# KiCad board DFTBoard.kicad_pcb (continued)
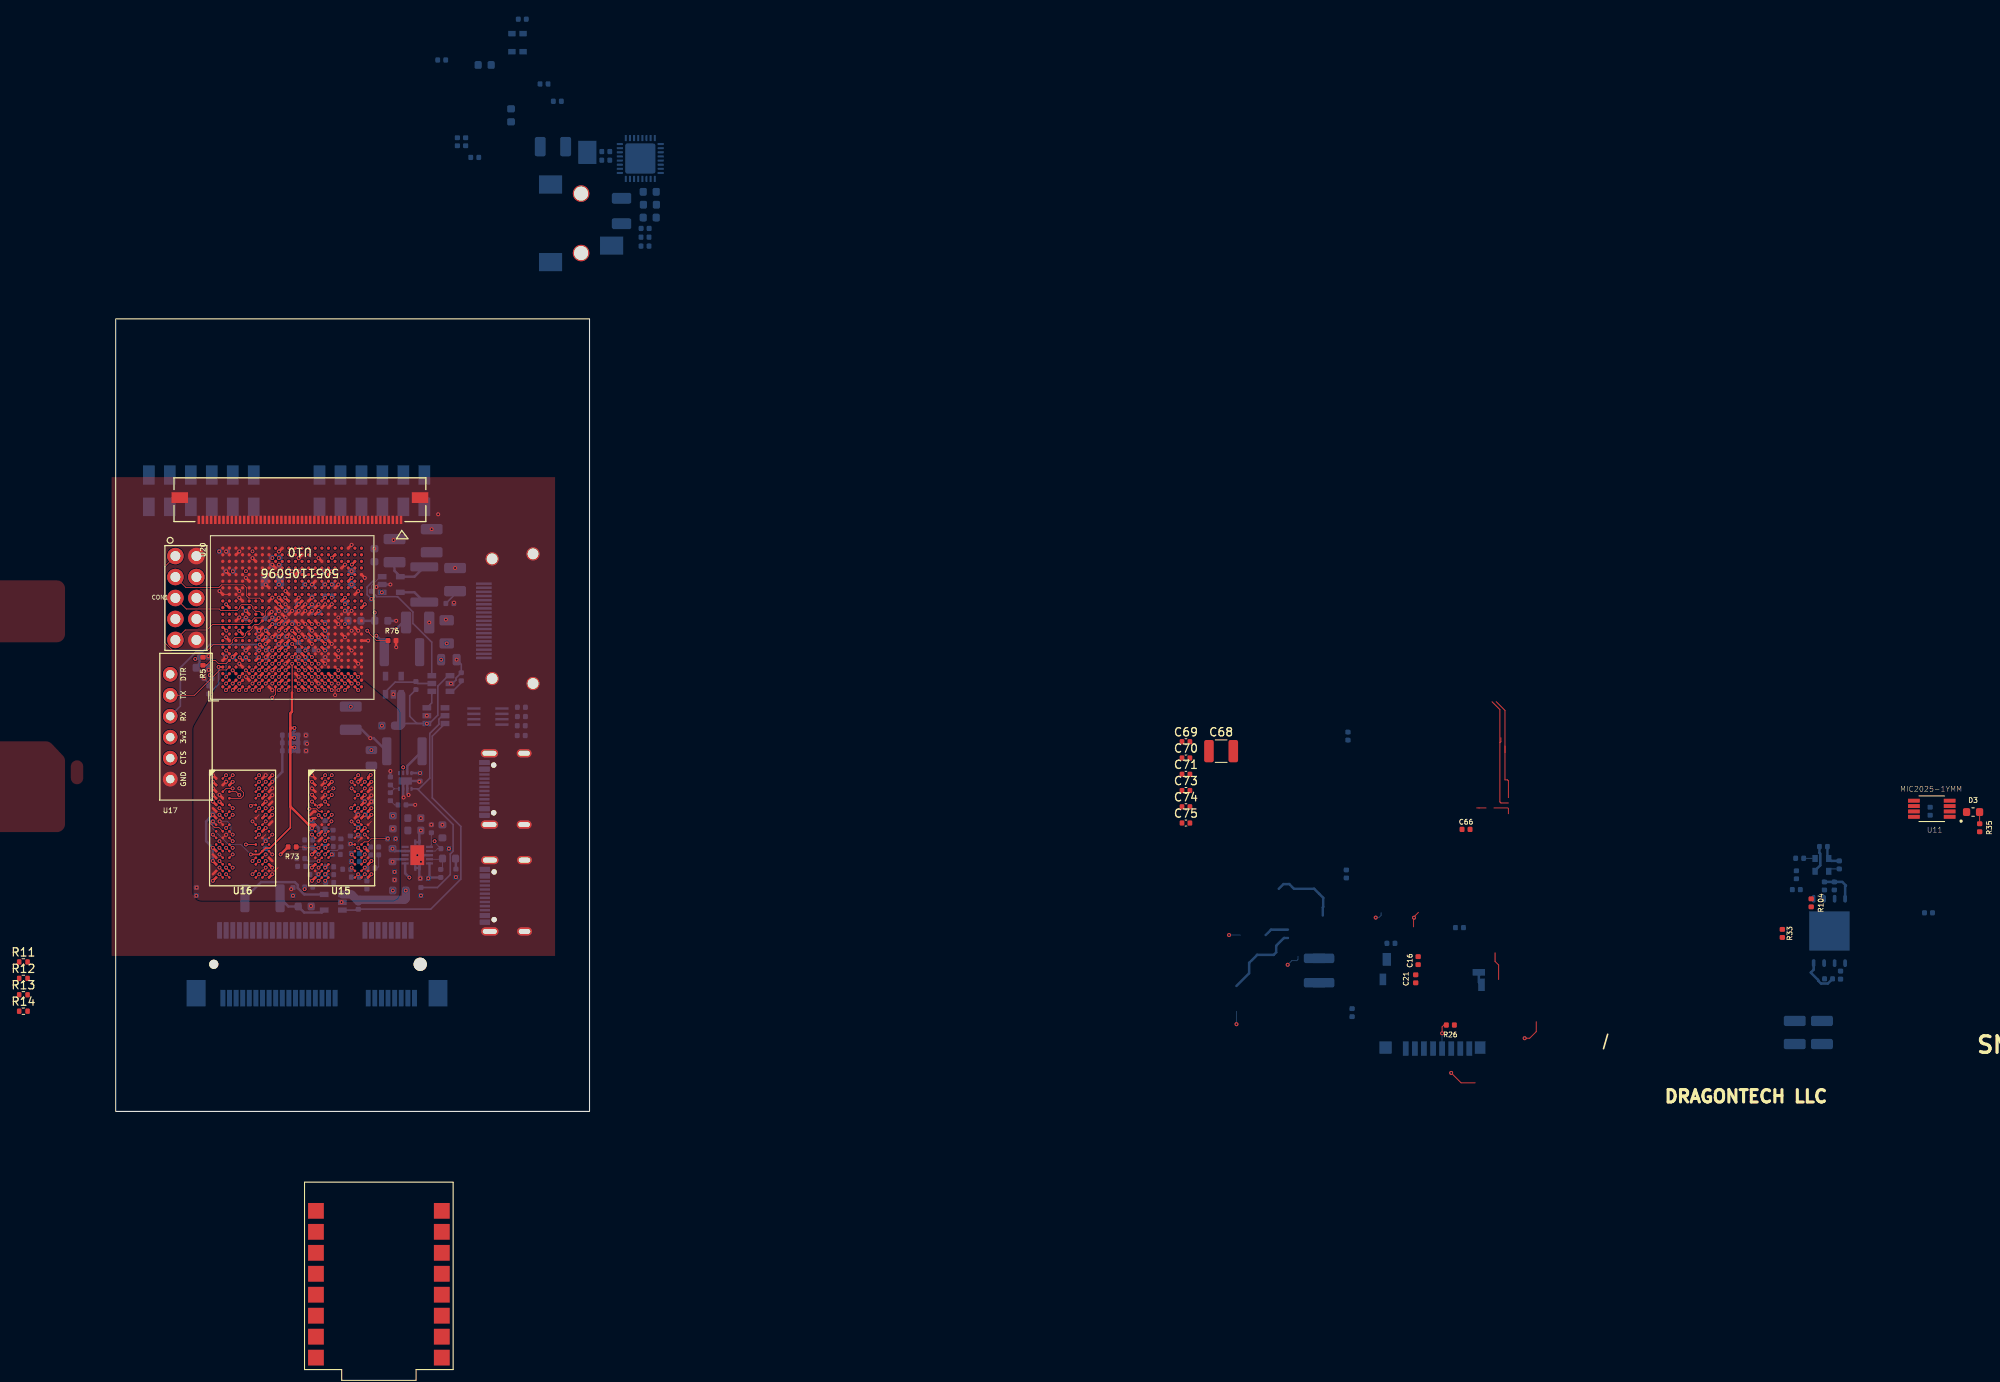
[diagram p0: board, top side]
## Routing (per net, layer and track width the routed paths; a pad name or vN(x,y) marks a point on that pad's centre or on a via; arc(x,y) is an arc through that point) (continued)
DDR3_DQS1_N: length 18.8
  TOP w0.102: U16.B7 v1(17.37,39.93)
  TOP w0.13: U20.J2 v1(18.97,51.83)
  Signal2 w0.102: v1(18.97,51.83) 19.36,51.43 19.36,50.84 19.04,50.52 18.78,50.52 18.57,50.32 18.57,48.4 18.23,48.06 18.23,46 18.23,45.94 18.21,45.9 18.18,45.85 18.15,45.81 18.1,45.79 18.05,45.77 18,45.76 17.89,45.76 17.88,45.76 17.87,45.76 17.86,45.75 17.85,45.75 17.85,45.74 17.84,45.73 17.84,45.72 17.84,45.45 17.96,45.34 18.55,45.34 18.63,45.33 18.71,45.3 18.78,45.26 18.84,45.2 18.89,45.13 18.92,45.05 18.93,44.96 18.93,44.91 18.92,44.82 18.89,44.75 18.84,44.67 18.78,44.62 18.71,44.57 18.63,44.54 18.55,44.53 18.43,44.53 18.38,44.53 18.34,44.51 18.31,44.49 18.28,44.46 18.25,44.42 18.24,44.38 18.23,44.34 18.23,42.15 16.85,40.77 16.15,40.77 16.02,40.64 16.02,39.51 16.2,39.33 16.77,39.33 v1(17.37,39.93)
DDR3_DQS1_P: length 18.4
  TOP w0.102: U16.C7 v1(17.37,39.13)
  TOP w0.13: U20.H2 v1(18.17,51.83)
  Signal2 w0.102: v1(17.37,39.13) 16.12,39.13 15.82,39.43 15.82,40.73 16.06,40.97 16.77,40.97 18.03,42.24 18.03,44.36 18.04,44.45 18.07,44.53 18.11,44.6 18.17,44.66 18.24,44.7 18.32,44.73 18.4,44.74 18.53,44.74 18.57,44.74 18.61,44.76 18.65,44.78 18.68,44.81 18.7,44.85 18.72,44.89 18.72,44.93 18.72,44.94 18.72,44.98 18.7,45.02 18.68,45.06 18.65,45.09 18.61,45.11 18.57,45.13 18.53,45.13 17.81,45.13 17.69,45.25 17.66,45.3 17.64,45.34 17.64,45.4 17.64,45.74 17.64,45.79 17.66,45.84 17.69,45.88 17.73,45.92 17.77,45.95 17.82,45.96 17.87,45.97 17.99,45.97 18,45.97 18.01,45.97 18.01,45.98 18.02,45.98 18.03,45.99 18.03,46 18.03,46.01 18.03,48.14 18.37,48.48 18.37,50.45 18.23,50.59 18.23,50.81 18.17,50.88 v1(18.17,51.83)
DDR3_DQS2_N: length 21.4
  TOP w0.102: U15.G3 v1(26.17,35.93)
  TOP w0.13: U20.P2 v1(23.77,51.83)
  Signal2 w0.102: v1(23.77,51.83) 24.17,51.43 24.17,50.85 24.57,50.45 24.57,50.23 24.17,49.83 24.17,47.46 24.16,47.41 24.15,47.36 24.12,47.32 24.08,47.28 24.04,47.26 23.99,47.24 23.94,47.24 23.83,47.24 23.82,47.24 23.81,47.23 23.81,47.23 23.8,47.22 23.8,47.22 23.8,47.21 23.79,47.2 23.79,47.07 23.8,47.06 23.8,47.05 23.81,47.05 23.84,47.02 24.4,47.02 24.47,47.01 24.53,46.99 24.58,46.95 24.63,46.91 24.66,46.85 24.68,46.79 24.69,46.73 24.69,46.69 24.68,46.63 24.66,46.57 24.63,46.51 24.58,46.47 24.53,46.43 24.47,46.41 24.4,46.41 23.83,46.41 23.82,46.4 23.81,46.4 23.81,46.4 23.8,46.39 23.8,46.39 23.8,46.38 23.79,46.37 23.79,46.23 23.8,46.23 23.8,46.22 23.8,46.21 23.81,46.21 23.81,46.2 23.82,46.2 23.83,46.2 24.4,46.2 24.47,46.19 24.53,46.17 24.58,46.14 24.63,46.09 24.66,46.04 24.68,45.98 24.69,45.91 24.69,45.88 24.68,45.81 24.66,45.75 24.63,45.7 24.58,45.65 24.53,45.62 24.47,45.6 24.4,45.59 24.27,45.59 24.25,45.59 24.23,45.58 24.21,45.57 24.19,45.55 24.18,45.53 24.17,45.51 24.17,45.49 24.17,45.28 24.4,45.05 24.4,42.39 24.39,42.38 24.39,37.71 24.97,37.13 25.3,37.13 26.17,36.27 v1(26.17,35.93)
DDR3_DQS2_P: length 21.8
  TOP w0.102: U15.F3 v1(25.37,35.93)
  TOP w0.13: U20.N2 v1(22.97,51.83)
  Signal2 w0.102: v1(25.37,35.93) 25.67,36.23 25.67,36.43 25.55,36.54 24.4,36.54 24.19,36.75 24.19,44.97 23.96,45.19 23.96,45.51 23.97,45.57 23.99,45.63 24.03,45.68 24.07,45.73 24.13,45.76 24.19,45.79 24.25,45.79 24.38,45.79 24.41,45.8 24.43,45.8 24.45,45.82 24.46,45.83 24.48,45.85 24.48,45.87 24.49,45.9 24.48,45.92 24.48,45.94 24.46,45.96 24.45,45.98 24.43,45.99 24.41,45.99 24.38,46 23.81,46 23.76,46 23.72,46.02 23.67,46.05 23.64,46.08 23.61,46.12 23.6,46.17 23.59,46.22 23.59,46.39 23.6,46.44 23.61,46.48 23.64,46.53 23.67,46.56 23.72,46.59 23.76,46.6 23.81,46.61 24.38,46.61 24.41,46.61 24.43,46.62 24.45,46.63 24.46,46.65 24.48,46.67 24.48,46.69 24.49,46.71 24.48,46.73 24.48,46.76 24.46,46.78 24.45,46.79 24.43,46.8 24.41,46.81 24.38,46.81 23.75,46.81 23.72,46.85 23.67,46.88 23.64,46.91 23.61,46.95 23.6,47 23.59,47.05 23.59,47.22 23.6,47.27 23.61,47.31 23.64,47.36 23.67,47.39 23.72,47.42 23.76,47.43 23.81,47.44 23.93,47.44 23.94,47.44 23.94,47.44 23.95,47.45 23.96,47.45 23.96,47.46 23.96,47.47 23.96,47.47 23.96,50.18 23.36,50.78 23.36,51.43 v1(22.97,51.83)
DDR3_DQS3_N: length 18.3
  TOP w0.102: U15.B7 v1(28.57,39.93)
  TOP w0.13: U20.W2 v1(27.77,51.83)
  Signal1 w0.102: v1(28.57,39.93) 28.02,40.48 28.02,40.63 28.22,40.83 28.22,41.03 28.02,41.23 28.02,45.3 28.02,45.36 28.04,45.42 28.08,45.47 28.12,45.52 28.17,45.55 28.23,45.57 28.29,45.58 28.5,45.58 28.61,45.59 28.71,45.63 28.81,45.69 28.89,45.76 28.94,45.86 28.98,45.96 28.99,46.07 28.99,46.13 28.98,46.24 28.94,46.35 28.89,46.44 28.81,46.52 28.71,46.58 28.61,46.62 28.5,46.63 27.62,46.63 27.61,46.63 27.6,46.64 27.59,46.65 27.59,46.65 27.59,47.15 27.59,47.16 27.6,47.17 27.61,47.18 27.62,47.18 28.5,47.18 28.61,47.19 28.71,47.23 28.81,47.29 28.89,47.36 28.94,47.46 28.98,47.56 28.99,47.67 28.99,47.73 28.98,47.84 28.94,47.95 28.89,48.04 28.81,48.12 28.71,48.18 28.61,48.22 28.5,48.23 27.67,48.23 27.6,48.29 27.6,48.31 27.59,48.32 27.59,48.33 27.59,48.83 27.59,48.84 27.6,48.85 27.61,48.85 27.62,48.85 27.76,48.85 27.82,48.86 27.87,48.88 27.92,48.91 27.96,48.95 27.99,49 28.01,49.05 28.02,49.11 28.02,50.43 28.47,50.88 28.47,51.13 v1(27.77,51.83)
DDR3_DQS3_P: length 19.2
  TOP w0.102: U15.C7 v1(28.57,39.13) ; U20.V2 v1(26.97,51.83)
  Signal1 w0.102: v1(26.97,51.83) 27.37,51.43 27.37,50.83 27.77,50.43 27.77,49.13 27.76,49.12 27.76,49.11 27.75,49.1 27.74,49.1 27.6,49.1 27.54,49.1 27.49,49.08 27.44,49.05 27.4,49 27.37,48.95 27.35,48.9 27.34,48.84 27.34,48.31 27.35,48.25 27.37,48.2 27.59,47.98 28.47,47.98 28.53,47.97 28.59,47.95 28.64,47.92 28.68,47.87 28.72,47.82 28.74,47.76 28.74,47.7 28.74,47.64 28.72,47.58 28.68,47.53 28.64,47.49 28.59,47.45 28.53,47.43 28.47,47.43 27.6,47.43 27.54,47.42 27.49,47.4 27.44,47.37 27.4,47.33 27.37,47.28 27.35,47.23 27.34,47.17 27.34,46.64 27.35,46.58 27.37,46.52 27.4,46.48 27.44,46.43 27.49,46.4 27.54,46.38 27.6,46.38 28.47,46.38 28.53,46.37 28.59,46.35 28.64,46.32 28.68,46.27 28.72,46.22 28.74,46.16 28.74,46.1 28.74,46.04 28.72,45.98 28.68,45.93 28.64,45.89 28.59,45.85 28.53,45.83 28.47,45.83 28.26,45.83 28.15,45.82 28.05,45.78 27.95,45.72 27.88,45.64 27.82,45.55 27.78,45.44 27.77,45.33 27.77,39.48 28.12,39.13 v1(28.57,39.13)
DDR3_DRST#: length 52.2
  TOP w0.102: U15.T2 v1(24.57,27.93) ; U16.T2 v1(12.57,28.73)
  TOP w0.13: U20.F3 v1(16.57,52.63)
  Signal2 w0.102: v1(24.57,27.93) 24.07,27.43 21.72,27.43 21.69,27.43 21.66,27.44 21.63,27.46 21.61,27.48 21.6,27.5 21.59,27.53 21.58,27.59 21.57,27.62 21.55,27.64 21.53,27.67 21.51,27.68 21.48,27.69 21.45,27.69 21.32,27.69 21.29,27.69 21.26,27.68 21.23,27.67 21.21,27.64 21.2,27.62 21.19,27.59 21.18,27.53 21.17,27.5 21.15,27.48 21.13,27.46 21.11,27.44 21.08,27.43 21.05,27.43 13.87,27.43 v1(12.57,28.73)
  Signal3 w0.102: v1(12.57,28.73) 9.77,28.73 8.22,30.28 8.22,45.18 12.47,49.43 12.47,50.83 13.07,51.43 13.56,51.43 13.74,51.25 13.74,50.5 13.87,50.38 14.42,50.38 14.58,50.54 14.58,51.21 14.57,51.23 14.57,52.81 14.78,53.02 15.16,53.02 15.16,53.02 15.32,53.18 15.32,53.56 15.59,53.83 15.95,53.83 16.16,53.61 16.16,53.23 16.17,53.23 16.17,53.03 v1(16.57,52.63)
  BOTTOM w0.102: R74.1 24.57,27.89 v1(24.57,27.93)
DDR3_ODT: length 48.4
  TOP w0.102: U15.K1 v1(23.77,33.53) ; U16.K1 v1(11.77,33.53)
  TOP w0.13: U20.P5 v1(23.77,54.23)
  Signal2 w0.102: v1(23.77,33.53) 23.52,33.28 20.27,33.28 20.12,33.13 13.99,33.13 13.49,32.63 13.27,32.63 12.98,32.92 12.96,32.92 12.76,33.12 12.17,33.12 v1(11.77,33.53)
  Signal3 w0.102: v1(23.77,54.23) 23.77,53.89 23.76,53.88 23.62,53.88 23.37,53.63 23.37,49.85 23.34,49.83 23.31,49.82 23.28,49.81 23.25,49.81 23.22,49.82 23.19,49.83 23.17,49.85 23.06,49.96 23.04,49.98 23.01,50 22.98,50 22.95,50 22.91,50 22.89,49.98 22.86,49.96 22.78,49.88 22.76,49.85 22.74,49.82 22.74,49.79 22.74,49.76 22.74,49.73 22.76,49.7 22.78,49.68 23.23,49.23 23.25,49.2 23.26,49.17 23.27,49.14 23.27,49.11 23.26,49.08 23.25,49.05 23.23,49.03 23.14,48.94 23.12,48.92 23.09,48.91 23.06,48.9 23.03,48.9 23,48.91 22.97,48.92 22.95,48.94 22.49,49.4 22.47,49.42 22.44,49.43 22.41,49.44 22.38,49.44 22.35,49.43 22.32,49.42 22.3,49.4 22.21,49.31 22.19,49.29 22.18,49.26 22.17,49.23 22.17,49.2 22.18,49.17 22.19,49.14 22.21,49.11 22.66,48.66 22.68,48.64 22.7,48.61 22.7,48.58 22.7,48.55 22.7,48.52 22.68,48.49 22.66,48.46 22.58,48.38 22.55,48.36 22.53,48.35 22.5,48.34 22.46,48.34 22.43,48.35 22.41,48.36 22.38,48.38 21.89,48.87 21.87,48.89 21.84,48.9 21.81,48.91 21.78,48.91 21.75,48.9 21.72,48.89 21.7,48.87 21.61,48.78 21.59,48.76 21.58,48.73 21.57,48.7 21.57,48.67 21.58,48.64 21.59,48.61 21.61,48.58 22.1,48.1 22.12,48.07 22.13,48.04 22.14,48.01 22.14,47.98 22.13,47.95 22.12,47.92 22.1,47.9 22.01,47.81 21.99,47.79 21.96,47.78 21.93,47.77 21.9,47.77 21.87,47.78 21.84,47.79 21.82,47.81 21.33,48.3 21.3,48.32 21.27,48.33 21.24,48.34 21.21,48.34 21.18,48.33 21.15,48.32 21.13,48.3 21.04,48.22 21.03,48.19 21.01,48.16 21,48.13 21,48.1 21.01,48.07 21.03,48.04 21.04,48.02 21.53,47.53 21.55,47.51 21.57,47.48 21.57,47.45 21.57,47.42 21.57,47.38 21.55,47.36 21.53,47.33 21.45,47.25 21.42,47.23 21.39,47.21 21.36,47.21 21.33,47.21 21.3,47.21 21.27,47.23 21.25,47.25 21.1,47.39 21.08,47.41 21.05,47.42 21.02,47.43 20.99,47.43 20.96,47.42 20.93,47.41 20.91,47.39 20.1,46.58 15.42,41.91 15.42,38.2 15.32,38.1 15.32,37.28 14.59,36.55 14.57,36.55 14.34,36.32 13.98,36.32 13.77,36.12 13.77,35.48 13.77,35.48 13.77,34.83 13.67,34.73 13.12,34.73 12.97,34.58 12.97,33.93 12.57,33.53 v1(11.77,33.53)
  BOTTOM w0.102: R72.1 23.85,33.44 v1(23.77,33.53)
DDR3_RAS#: length 46.2
  TOP w0.102: U16.J3 v1(14.17,33.53) ; U15.J3 25.36,33.52 v1(25.36,33.52)
  TOP w0.13: U20.R5 v1(24.57,54.23)
  Signal2 w0.102: v1(14.17,33.53) 16.79,33.53 17.19,33.93 19.07,33.93 19.1,33.94 19.12,33.95 19.14,33.96 19.16,33.98 19.17,34 19.18,34.02 19.19,34.07 19.2,34.09 19.21,34.11 19.23,34.13 19.25,34.14 19.27,34.15 19.29,34.15 19.47,34.15 19.5,34.15 19.52,34.14 19.54,34.13 19.65,34.02 19.65,33.71 19.67,33.67 19.69,33.63 19.72,33.61 19.75,33.58 19.79,33.57 19.83,33.56 19.86,33.56 19.91,33.57 19.94,33.58 19.98,33.61 20.01,33.63 20.03,33.67 20.04,33.71 20.05,33.79 20.07,33.83 20.09,33.86 20.12,33.89 20.15,33.92 20.19,33.93 20.23,33.93 20.62,33.93 21.47,34.78 22.42,34.78 23.27,33.93 24.96,33.93 v1(25.36,33.52)
  Signal3 w0.102: v1(24.57,54.23) 24.17,53.83 24.17,53.18 24.32,53.03 24.82,53.03 24.97,52.88 24.97,49.18 24.79,49 24.77,48.98 24.74,48.97 24.71,48.96 24.68,48.96 24.65,48.97 24.62,48.98 24.59,49 24.46,49.14 24.44,49.16 24.41,49.17 24.38,49.18 24.35,49.18 24.32,49.17 24.29,49.16 24.26,49.14 24.18,49.05 24.16,49.03 24.15,49 24.14,48.97 24.14,48.94 24.15,48.91 24.16,48.88 24.18,48.85 24.64,48.39 24.66,48.36 24.68,48.34 24.68,48.31 24.68,48.27 24.68,48.24 24.66,48.22 24.64,48.19 24.56,48.11 24.53,48.09 24.51,48.07 24.47,48.07 24.44,48.07 24.41,48.07 24.38,48.09 24.36,48.11 23.9,48.57 23.87,48.59 23.84,48.6 23.81,48.61 23.78,48.61 23.75,48.6 23.72,48.59 23.7,48.57 23.61,48.49 23.59,48.46 23.58,48.43 23.57,48.4 23.57,48.37 23.58,48.34 23.59,48.31 23.61,48.29 24.08,47.82 24.1,47.8 24.11,47.77 24.12,47.74 24.12,47.71 24.11,47.68 24.1,47.65 24.08,47.62 23.99,47.54 23.97,47.52 23.94,47.51 23.91,47.5 23.88,47.5 23.85,47.51 23.82,47.52 23.79,47.54 23.33,48 23.31,48.02 23.28,48.04 23.25,48.04 23.22,48.04 23.18,48.04 23.16,48.02 23.13,48 23.05,47.92 23.03,47.89 23.01,47.87 23.01,47.84 23.01,47.8 23.01,47.77 23.03,47.75 23.05,47.72 23.51,47.26 23.53,47.23 23.54,47.2 23.55,47.17 23.55,47.14 23.54,47.11 23.53,47.08 23.51,47.06 23.43,46.97 23.4,46.95 23.37,46.94 23.34,46.93 23.31,46.93 23.28,46.94 23.25,46.95 23.23,46.97 23.1,47.11 23.07,47.13 23.04,47.14 23.01,47.15 22.98,47.15 22.95,47.14 22.92,47.13 22.9,47.11 22.21,46.42 16.97,41.18 16.97,36.33 v1(14.17,33.53)
  BOTTOM w0.3: v1(25.36,33.52) 25.37,33.52 R69.1
DDR3_VTT: length 3.2
  TOP w0.3: 20.87,32.03 v1(19.97,31.13)
  BOTTOM w0.102: R57.2 31.7,29.48 31.85,29.63 R55.2
DDR3_VTT_EN: length 66.5
  TOP w0.102: 13.77,55.44 v1(13.38,55.83)
  Signal3 w0.102: v1(13.38,55.83) 13.38,55.76 12.85,55.22 12.28,55.22 11.47,54.42 11.47,54.04 11.81,53.7 11.95,53.7 12.15,53.5 12.15,53.12 11.86,52.83 11.86,52.12 7.91,48.17 7.91,30.07 10.46,27.53 24.07,27.53 24.17,27.43 33.75,27.43 36.36,30.04 36.36,30.29 38.62,32.55 v1(38.62,32.73)
  BOTTOM w0.102: U8.7 38.7,31.54 38.99,31.83 R25.2 38.62,32.59 v1(38.62,32.73)
DDR3_WE#: length 41.8
  TOP w0.102: U16.L3 v1(14.17,31.93) ; U15.L3 25.39,31.95
  TOP w0.13: U20.R4 v1(24.57,53.43)
  Signal3 w0.102: v1(25.39,31.92) 25.32,31.99 25.07,31.99 24.75,32.31 24.44,32.31 24.42,32.33 20.47,32.33 20.42,32.33 20.38,32.35 20.34,32.37 20.31,32.4 20.29,32.44 20.27,32.48 20.27,32.53 20.27,32.62 20.26,32.66 20.25,32.7 20.22,32.74 20.19,32.77 20.15,32.8 20.11,32.81 20.07,32.82 20.02,32.81 19.98,32.8 19.94,32.77 19.91,32.74 19.89,32.7 19.87,32.66 19.87,32.62 19.87,32.04 19.86,31.99 19.85,31.95 19.82,31.91 19.79,31.88 19.75,31.86 19.71,31.84 19.67,31.84 19.62,31.84 19.58,31.86 19.54,31.88 19.51,31.91 19.49,31.95 19.47,31.99 19.47,32.04 19.47,32.13 19.46,32.17 19.45,32.21 19.42,32.25 19.39,32.28 19.35,32.31 19.31,32.32 19.27,32.33 17.27,32.33 16.87,31.93 v1(14.17,31.93) 14.72,32.48 14.72,32.7 17.77,35.75 17.77,40.9 25.77,48.9 25.77,52.83 25.17,53.43 v1(24.57,53.43)
HPCOM_N: length 9.8
  BOTTOM w0.3: 141.96,21.01 141.48,21.01 140.54,20.07 140.54,19.27 140.23,18.96 138.23,18.96 137.26,17.99 137.26,16.73 135.73,15.2
HPCOM_P: length 3
  BOTTOM w0.3: 141.96,22.01 139.92,22.01 139.27,21.36
I2C5_HDMI_SCLK: length 14.3
  TOP w0.102: 167.75,45.26 167.75,44.78 167.63,44.66 ; 167.63,44.66 167.63,37.48 167.75,37.36 168.66,37.36 ; 167.63,44.66 167.63,48.67 166.68,49.62
I2C5_HDMI_SDA: length 13.2
  TOP w0.102: 168.25,43.48 168.25,48.57 167.18,49.63 ; 168.25,43.48 168.25,40.16 168.54,40.16 168.66,40.05 168.66,38.01 ; 168.25,43.48 168.25,44.26
INIT_B: length 0.6
  TOP w0.13: U20.T14 v1(25.37,62.23)
PROGRAM_B: length 0.6
  TOP w0.102: U20.T11 v1(25.37,59.03)
SD_CLK: length 3.2
  TOP w0.102: 161.15,10.46 160.85,10.46 160.63,10.24 v1(160.63,9.46)
  BOTTOM w0.102: v1(160.63,9.46) J8.5
UART33_RX: length 17.6
  TOP w0.2: U20.G7 17.77,56.23 v1(17.45,56.55)
  BOTTOM w0.2: v1(17.45,56.55) 11.39,56.55 10.55,55.71 9.79,55.71 7.83,53.75 7.83,49.09 U17.4
UART33_TX: length 8.6
  TOP w0.1: U17.5 9.54,50.41 12.61,53.48 13.42,53.48 U20.B4
VMODE0: length 5.5
  TOP w0.2: v1(15.01,54.99) 15.37,54.63 U20.D5
  Signal1 w0.2: v1(15.01,54.99) 12.87,52.85 v1(11.39,52.85)
  BOTTOM w0.2: R96.1 11.39,52.73 v1(11.39,52.85)
VMODE1: length 0.6
  TOP w0.102: 16.16,54.63 v1(15.77,55.02)
ZYNQ_POR: length 3.7
  TOP w0.102: R5.2 10.99,54.04 11.06,54.12 11.06,54.14 11.55,54.62 12.07,54.62 12.42,54.27 13.41,54.27 U20.B5
Net-(D7-K): length 2.6
  BOTTOM w0.102: U8.9 39.49,30.54 ; D7.1 39.58,29.53
Net-(R7-Pad2): length 1.1
  BOTTOM w0.102: R7.2 33.78,37.13 R8.1
Net-(R34-Pad2): length 1.1
  TOP w0.102: 165.94,36.76 164.81,36.76
Net-(U1-EN): length 1.7
  BOTTOM w0.2: 40.79,50.88 41.85,51.94 C1.1
Net-(U1-FLAG3): length 2.2
  BOTTOM w0.2: U1.4 38.28,49.49 U2.3
Net-(U5-FB): length 1.9
  BOTTOM w0.102: 33.73,39.08 R6.1 ; 33.73,39.08 U5.4 ; 33.73,39.08 R7.1
Net-(U5-SW): length 3.4
  BOTTOM w0.3: U5.7 35.32,41.84 L1.1
Net-(U8-REFOUT): length 1.8
  BOTTOM w0.102: U8.6 38.23,32.26 C131.1
Net-(U18-OE): length 1.4
  BOTTOM w0.102: R98.1 207.75,29.38 U18.1
Net-(U20H-PS_DDR_VRN_502): length 1.2
  TOP w0.102: U20.M7 v1(21.37,56.63)
  BOTTOM w0.102: v1(21.37,56.63) 21.98,56.63
Net-(U20H-PS_DDR_VRP_502): length 13.6
  TOP w0.102: v1(22.17,57.46) 22.17,56.63 U20.N7 ; R76.1 31.59,57.03 30.71,57.91 30.71,57.99 v1(30.47,58.23)
  Signal1 w0.102: v1(30.47,58.23) 30.07,58.62 29.18,58.62 28.97,58.42 28.97,58.04 28.76,57.82 22.53,57.82 v1(22.17,57.46)
Net-(U21-EN): length 2.3
  TOP w0.102: 166.92,36.76 168.61,36.76 ; 168.66,36.06 168.66,36.71

## Copper pours and planes (outline as drawn; the poured copper is in the pictures)
+1V0 on BOTTOM: 42.84,65.95 41.26,67.32 38.32,67.69 36.59,64.18 36.39,64.45 36.54,64.45 36.51,64.28 36.53,63.96 35.73,64.26 25.63,62.46 25.33,62.16 25.33,56.26 25.73,55.86 32.13,55.86 33.04,56.19 33.82,57.14 34,60.16 37.25,58.51 40.86,57.72 41.79,61.16 42.82,61.21
+1V8 on BOTTOM: 36.37,51.33 30.67,51.33 30.67,59.83 36.37,59.83
+1V8 on Signal3: 33.74,50.64 9.89,50.55 9.76,69.06 34.04,69.44
+1V8 on GND1: 85.37,18.83 -31.63,18.83 -31.63,76.83 85.37,76.83
+1V35 on TOP: 34.4,25.52 9.4,25.52 9.4,46.52 13.4,53.52 28.4,53.52 34.4,48.52
+1V35 on BOTTOM: 34.47,37.93 10.87,37.83 10.87,45.83 15.43,52.83 17.37,54.83 17.37,56.23 22.87,56.23 22.87,54.83 26.37,54.83 34.47,49.93
+3V3 on BOTTOM: 17.88,23.62 17.88,29.62 21.38,29.62 21.38,23.62
+3V3 on Signal2: 4.75,69.14 41.22,69.5 42.85,22.26 27.54,21.48 27.15,27.42 31.36,27.59 31.86,54.23 4.5,54.85
+3V3 on Signal2: 4.5,54.85 4.44,37.47 8.59,37.59 8.62,54.79
+3V3 on GND1: 26.15,55.37 26.17,58.94 22.73,59.21 22.76,59.83 22.39,60.03 25.33,60.17 26.62,61.79 26.79,64.31 20.45,64.25 17.89,61.97 17.86,59.69 18.92,59 20.97,58.73 20.97,57.73 20.97,55.46
+5V on TOP: -5.43,39.63 -5.43,42.53 -3.93,42.53 -3.93,39.63
+5V on TOP: -6.13,56.83 -17.13,56.83 -17.13,64.33 -6.13,64.33
+5V on BOTTOM: 85.37,76.83 -31.63,76.83 -31.63,18.83 85.37,18.83
/Power/1V8TOLX on BOTTOM: 38.27,51.78 36.37,51.78 36.37,56.88 38.27,56.88
/Power/3V3TOLX on BOTTOM: 14.38,23.62 14.38,29.62 17.78,29.62 17.78,23.62
/Power/VCCAUX on GND1: 11.47,60.23 17.17,60.23 18.77,58.73 20.97,58.73 20.97,57.73 11.47,57.73
GND on TOP: -31.63,76.83 85.37,76.83 85.37,18.83 -31.63,18.83
GND on Signal1: -31.63,18.83 -31.63,76.83 85.37,76.83 85.37,18.83
GND on Signal2: 85.37,18.83 -31.63,18.83 -31.63,76.83 85.37,76.83
GND on Signal3: -31.65,18.83 -31.63,76.83 85.35,76.83 85.35,18.83
DDR3_VTT on BOTTOM: 42.67,24.83 42.67,36.83 19.67,36.83 19.67,24.83
USBH_VBUS on TOP: -6.13,33.83 -21.63,33.83 -21.63,43.33 -20.03,44.83 -8.03,44.83 -6.13,42.83

## Text on the board
B.Silkscreen: DRAGONTECH LLC
User.Comments: ER-TFT028-4 | A UPPER | A LOWER | D LOWER | D UPPER
F.Silkscreen: DRAGONTECH LLC | SN:
